# Altium PCB Aixcel_Tiny_Recon_Board.PcbDoc (part 2 of 2)
Units mm, origin at the board's own origin, x right, y up, seen from the top; angles counter-clockwise.
Board outline 50.95 x 29.99 mm, 4 copper layers (Top Layer, GND Layer, PWR Layer, Bottom Layer), stack 1.283 mm thick; 76 components, 72 nets, 351 pads, 241 vias.
Unrouted connection lines stored in the file: 6.
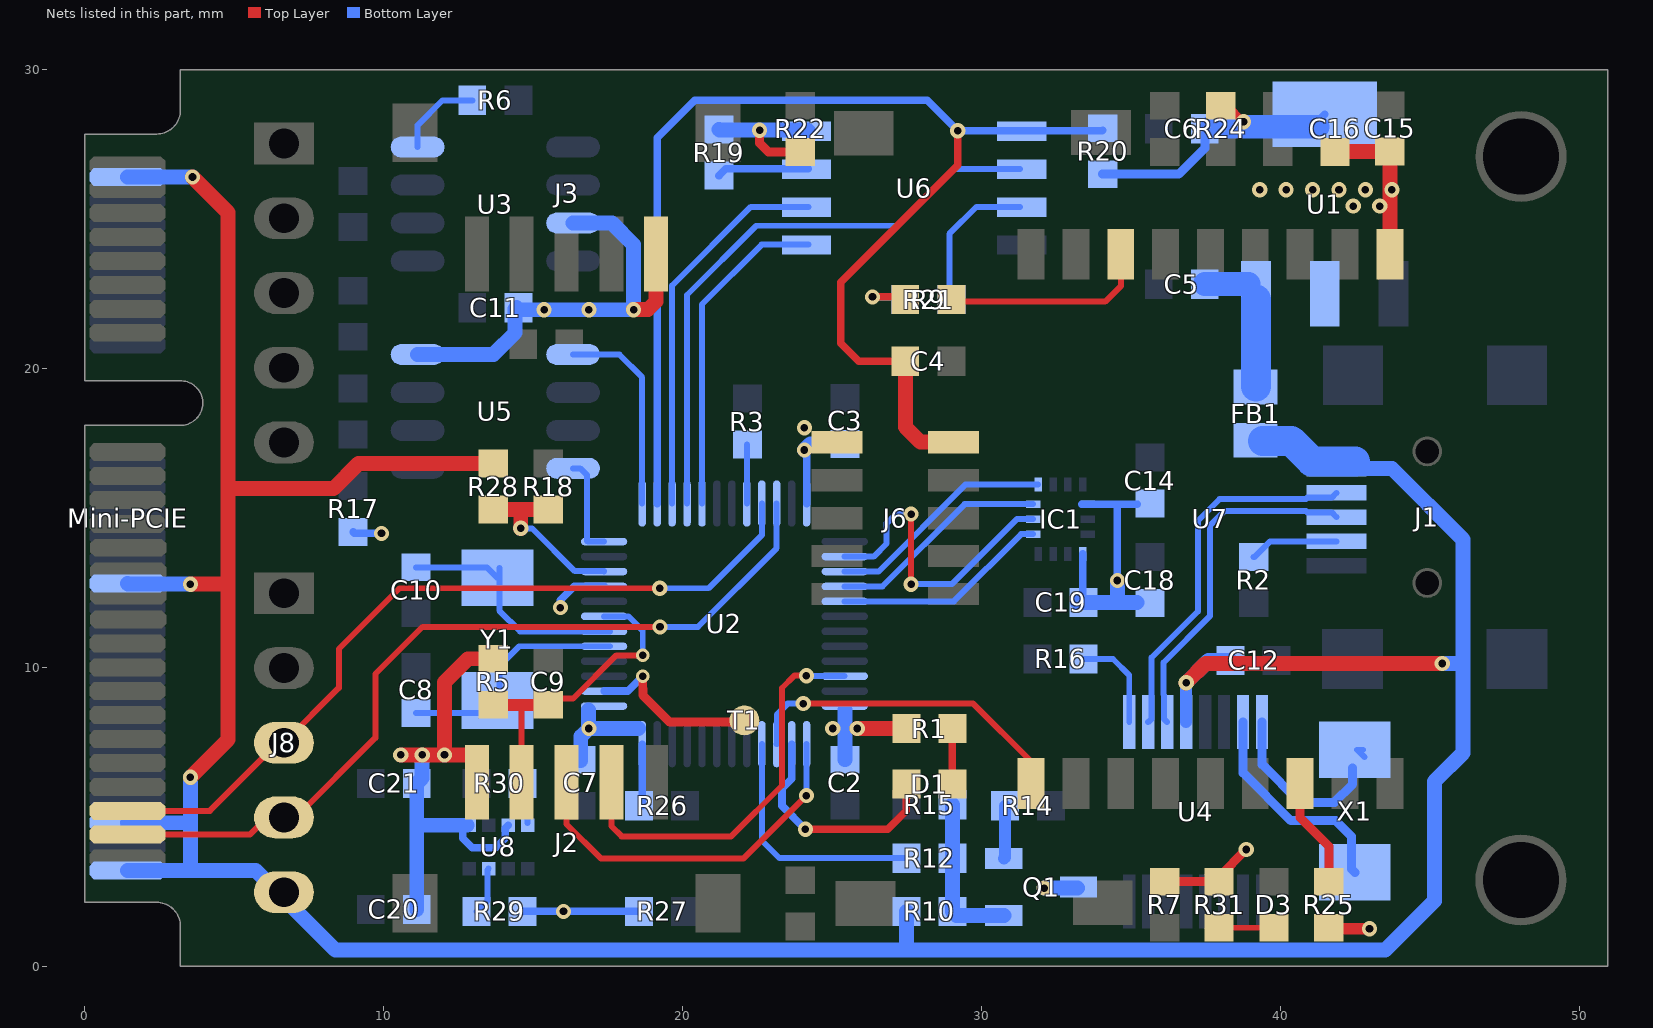
[diagram p4: the nets of this part, all layers, seen from the top]

## Via types
v1: diameter 0.508, hole 0.254, Top Layer to Bottom Layer, tented both sides, 238 vias
v2: diameter 0.45, hole 0.25, Top Layer to Bottom Layer, tented both sides, 2 vias
v3: diameter 0.508, hole 0.25, Top Layer to Bottom Layer, tented both sides, 1 vias

## Nets (pads, with @x,y where several pads share a name; then routed paths per layer and width w, separated by ;. In a path a pad name is that pad's centre, name@x,y a point inside that pad or via, vN(x,y) a via of type N, cw(c..) or ccw(c..) an arc to the next point about the centre after c; other vN are vias at no path point) (continued)
MCU_PB3: U2.39 U7.10 | length 11.2
  Top Layer w0.2: v1(24.038,8.79) 29.717,8.79 31.656,6.852 U7.10@31.656,6.12
  Bottom Layer w0.2: U2.39@23.148,7.433 23.15,7.435 23.15,8.427 23.514,8.79 v1(24.038,8.79)
NetC8_2: C8.2 U2.5 Y1.1 | length 7.6
  Bottom Layer w0.2: C8.2@11.084,8.478 13.316,8.478 Y1.1@13.736,8.898 ; Y1.1@13.872,9.228 13.872,10.045 14.535,10.708 U2.5@17.577,10.708
NetC10_2: C10.2 U2.6 Y1.2 | length 8.2
  Bottom Layer w0.2: C10.2@11.084,13.35 Y1.2@13.384,13.35 ; Y1.2@13.452,13.35 Y1.2@13.804,12.998 ; Y1.2@13.872,13.328 13.872,11.9 14.564,11.208 U2.6@17.577,11.208
NetD1_A: D1.A R1.2 | length 1.9
  Top Layer w0.254: D1.A@29.024,6.1 R1.2@29.024,7.956
NetD3_A: D3.A R31.2 | length 1.8
  Top Layer w0.2: R31.2@37.944,1.292 D3.A@39.78,1.292
NetJ1_4: J1.4 R2.2 | length 3
  Bottom Layer w0.2: R2.2@39.1,13.69 39.125,13.69 39.65,14.215 J1.4@41.87,14.215
NetQ1_1: Q1.1 R10.1 R12.2 R15.2 | length 5.3
  Bottom Layer w0.5: R15.2@29.024,5.406 R10.1@29.024,1.836 29.158,1.702 Q1.1@30.744,1.702
NetQ1_2: Q1.2 R14.2 | length 1.8
  Bottom Layer w0.4: Q1.2@30.744,3.602 30.782,3.64 R14.2@30.782,5.372
NetR3_2: R3.2 U2.20 | length 2
  Bottom Layer w0.2: U2.20@22.148,15.483 R3.2@22.148,17.454
NetR6_2: R6.2 U3.8 | length 2.9
  Bottom Layer w0.2: U3.8@11.136,27.405 11.136,28.136 11.968,28.968 R6.2@12.966,28.968
NetR9_2: R9.2 U7.7 | length 7.4
  Top Layer w0.2: R9.2@28.675,21.915 28.996,22.236 34.136,22.236 34.656,22.756 U7.7@34.656,23.82
NetR16_1: R16.1 U4.9 | length 3.3
  Bottom Layer w0.2: R16.1@33.41,10.282 34.396,10.282 34.939,9.739 U4.9@34.939,8.168
NetR18_2: R18.2 R28.1 U2.10 | length 6
  Top Layer w0.2: R28.1@13.668,15.278 R28.1@13.693,15.278 ; v1@14.527,14.713 v1(14.586,14.654)
  Top Layer w0.5: R28.1@13.668,15.278 14.586,15.278 ; v1(14.586,14.654) 14.586,15.278 ; R18.2@15.504,15.278 14.586,15.278
  Bottom Layer w0.2: v1(14.586,14.654) 14.96,14.654 16.397,13.217 17.363,13.217 U2.10@17.373,13.208
NetR19_2: R19.2 U6.7 | length 3.1
  Bottom Layer w0.254: R19.2@21.216,26.452 21.443,26.679 U6.7@24.203,26.679
NetR21_1: R21.1 U6.3 | length 4.9
  Bottom Layer w0.2: R21.1@28.922,22.304 28.922,24.502 29.829,25.409 U6.3@31.288,25.409
NetR25_1: R25.1 U7.16 | length 3.7
  Top Layer w0.3: U7.16@40.656,6.12 40.656,4.977 41.616,4.017 R25.1@41.616,2.832
NetR29_1: R29.1 U8.2 | length 1.6
  Bottom Layer w0.2: R29.1@13.102,1.836 13.467,2.201 13.467,3.225 U8.2@13.513,3.271
NetR30_2: R30.2 U8.5 | length 1.4
  Bottom Layer w0.2: R30.2@14.574,6.12 14.813,5.881 U8.5@14.813,4.789
NetT1_1: T1.1 U2.2 | length 5.8
  Top Layer w0.3: v2(18.666,9.711) 18.666,9.288 18.672,9.282 18.672,9.069 19.559,8.181 T1.1@21.951,8.181
  Bottom Layer w0.254: U2.2@17.373,9.208 17.375,9.21 18.165,9.21 v2(18.666,9.711)
NetU4_15: U4.15 X1.2 | length 7.4
  Bottom Layer w0.3: U4.15@38.75,8.168 38.75,6.47 40.344,4.876 41.84,4.876 42.37,4.346 42.37,3.263 X1.2@42.487,3.146
NetU4_16: U4.16 X1.1 | length 6.3
  Bottom Layer w0.2: X1.1@42.759,7.246 42.566,7.246 X1.1@42.806,7.006
  Bottom Layer w0.3: U4.16@39.385,8.168 39.385,6.753 40.65,5.488 41.8,5.488 42.408,6.096 X1.1@42.408,6.63
NRST: C9.1 J2.2 R5.1 U2.7 | length 10.4
  Top Layer w0.2: J2.2@14.616,6.158 14.616,8.75 ; C9.1@15.504,8.954 16.332,8.954 17.782,10.404 v2(18.666,10.404)
  Top Layer w0.4: R5.1@13.736,8.75 14.616,8.75 C9.1@15.504,8.75
  Bottom Layer w0.2: U2.7@17.373,11.708 18.19,11.708 18.666,11.232 v2(18.666,10.404)
SPI1_CS_DAC0: C4.1 J6.2 R20.2 U2.14 U6.1 | length 43.3
  Top Layer w0.254: C4.1@27.45,20.241 25.897,20.241 25.296,20.842 25.296,22.882 29.206,26.792 v1(29.206,27.949)
  Top Layer w0.5: C4.1@27.45,20.241 27.45,18.042 27.956,17.536 J6.2@29.06,17.536 J6.2@28.99,17.606
  Bottom Layer w0.254: U2.14@19.148,15.483 19.148,27.716 20.4,28.968 28.187,28.968 v1(29.206,27.949) 34.032,27.949 R20.2@34.053,27.97
SPI1_MISO: U2.16 U6.2 | length 19.9
  Bottom Layer w0.2: U2.16@20.148,15.483 20.148,22.46 22.462,24.774 27.203,24.774 29.108,26.679 U6.2@31.288,26.679
SPI1_MOSI: U2.17 U6.5 | length 11
  Bottom Layer w0.2: U2.17@20.648,15.483 20.648,22.144 22.643,24.139 U6.5@24.203,24.139
SPI1_SCK: U2.15 U6.6 | length 12.9
  Bottom Layer w0.2: U2.15@19.648,15.483 19.648,22.776 22.281,25.409 U6.6@24.203,25.409
SPI2_CS: IC1.12 U2.29 | length 7.2
  Bottom Layer w0.2: U2.29@25.423,12.208 29.072,12.208 31.324,14.46 IC1.12@31.728,14.46
SPI2_MISO: IC1.1 U2.27 | length 7.7
  Bottom Layer w0.2: U2.27@25.423,13.208 26.554,13.208 29.469,16.123 IC1.1@31.89,16.123
SPI2_MOSI: IC1.14 U2.28 | length 7.4
  Bottom Layer w0.2: U2.28@25.423,12.708 26.682,12.708 29.434,15.46 IC1.14@31.728,15.46
SPI2_SCK: IC1.13 U2.26 | length 10.5
  Top Layer w0.2: v1(27.642,12.784) v1(27.642,15.13)
  Bottom Layer w0.2: U2.26@25.423,13.708 26.39,13.708 26.826,14.144 26.826,14.824 27.132,15.13 v1(27.642,15.13) ; v1@27.676,12.784 29.002,12.784 31.178,14.96 IC1.13@31.728,14.96
SWCLK: J2.3 U2.37 | length 12.5
  Top Layer w0.2: J2.3@16.116,6.158 16.116,4.76 17.272,3.604 22.032,3.604 v1(24.14,5.712)
  Bottom Layer w0.2: v1(24.14,5.712) 24.144,5.716 24.144,7.429 U2.37@24.148,7.433
SWDIO: J2.4 U2.34 | length 13.5
  Top Layer w0.2: J2.4@17.616,6.158 17.616,4.696 17.96,4.352 21.624,4.352 23.324,6.052 23.324,9.312 23.736,9.724 v3(24.14,9.724)
  Bottom Layer w0.2: v3@24.14,9.716 25.415,9.716 U2.34@25.423,9.708
SYS_LED: D1.K U2.38 | length 7.8
  Top Layer w0.254: v1(24.106,4.59) 26.866,4.59 27.484,5.208 D1.K@27.484,6.1
  Bottom Layer w0.254: U2.38@23.648,7.433 23.646,7.431 23.646,6.277 23.324,5.955 23.324,5.372 v1(24.106,4.59)
UART2_RX: U2.13 U5.1 | length 6.8
  Bottom Layer w0.2: U5.1@16.336,20.469 17.883,20.469 18.648,19.704 U2.13@18.648,15.483
UART2_TX: U2.12 U5.4 | length 3.3
  Bottom Layer w0.2: U5.4@16.336,16.659 16.573,16.659 16.804,16.428 16.804,14.231 16.827,14.208 U2.12@17.373,14.208
UART3_RX: J8.4 Mini-PCIE.49 U2.22 | length 28.6
  Top Layer w0.2: Mini-PCIE.49@1.428,4.404 5.526,4.404 6.102,4.98 J8.4@6.664,4.98 7.058,4.98 9.724,7.646 9.724,9.779 11.301,11.356 v1(19.244,11.356) v1@19.38,11.356
  Bottom Layer w0.2: v1(19.244,11.356) 20.514,11.356 23.148,13.99 U2.22@23.148,15.483
UART3_TX: J8.3 Mini-PCIE.47 U2.21 | length 27
  Top Layer w0.2: Mini-PCIE.47@1.428,5.204 4.184,5.204 6.46,7.48 J8.3@6.664,7.48 8.5,9.316 8.5,10.618 10.53,12.648 v1(19.233,12.648) v1@19.301,12.648 ; v1@19.301,12.58 v1@19.369,12.58
  Bottom Layer w0.2: v1(19.233,12.648) 20.869,12.648 22.648,14.427 U2.21@22.648,15.483
USB_N: J1.2 U4.10 | length 12.4
  Bottom Layer w0.2: U4.10@35.574,8.168 35.678,8.271 35.678,9.073 35.692,9.087 35.692,10.332 37.238,11.878 37.238,14.906 37.966,15.634 40.853,15.634 40.9,15.681 41.71,15.681 J1.2@41.87,15.841
USB_P: J1.3 U4.11 | length 11.8
  Bottom Layer w0.2: U4.11@36.209,8.168 36.106,8.271 36.106,9.073 36.092,9.087 36.092,10.166 37.638,11.712 37.638,14.741 38.132,15.234 40.853,15.234 40.9,15.188 41.71,15.188 J1.3@41.87,15.028
USB_RENUM: R12.1 U2.40 | length 8.3
  Bottom Layer w0.2: U2.40@22.648,7.433 22.648,4.212 23.239,3.621 R12.1@27.484,3.621
VBUS_5V: C12.1 FB1.2 J1.1 J8.5 Mini-PCIE.2 Mini-PCIE.28 Mini-PCIE.48 Mini-PCIE.52 R10.2 R28.2 U4.12 | length 121.1
  Top Layer w0.5: v1(3.536,6.324) 4.794,7.582 4.794,12.784 ; v1(3.536,12.784) 4.794,12.784 ; v1(3.604,26.404) 4.794,25.214 4.794,15.98 ; R28.2@13.668,16.818 9.158,16.818 8.32,15.98 4.794,15.98 ; v1(36.845,9.486) 37.491,10.132 v1(45.407,10.132) ; 4.794,12.784 4.794,15.98
  Bottom Layer w0.4: U4.12@36.844,8.168 v1(36.845,9.486)
  Bottom Layer w0.5: Mini-PCIE.52@1.428,3.204 3.536,3.204 ; Mini-PCIE.48@1.428,4.804 3.308,4.804 ; Mini-PCIE.28@1.428,12.804 1.447,12.786 3.398,12.786 v1@3.4,12.784 ; Mini-PCIE.2@1.428,26.404 v1@3.468,26.404 ; v1(3.536,6.324) 3.536,3.204 ; J8.5@6.664,2.48 J8.5@6.445,2.48 ; R10.2@27.484,1.836 27.484,0.544 ; v1(36.845,9.486) 37.593,10.234 C12.1@38.33,10.234 ; J1.1@42.092,16.66 43.724,16.66 46.104,14.28 46.104,10.132 ; v1(45.407,10.132) 46.104,10.132 ; 3.536,3.204 5.721,3.204 J8.5@6.445,2.48 ; J8.5@6.445,2.48 8.381,0.544 27.484,0.544 ; 27.484,0.544 43.503,0.544 45.152,2.193 45.152,6.188 46.104,7.14 46.104,10.132
  Bottom Layer w1: FB1.2@39.406,17.578 40.358,17.578 41.042,16.894 J1.1@42.5,16.894
VCC_3V3: C2.1 C3.1 C6.2 C7.1 C11.1 C14.1 C15.1 C16.1 C18.1 C19.1 C20.2 C21.2 IC1.5 IC1.8 J2.1 J3.1 J6.1 Q1.3 R1.1 R5.2 R7.2 R9.1 R17.1 R19.1 R20.1 R21.2 R22.2 R24.2 R25.2 R26.2 R27.1 R29.2 R31.1 U1.2 U2.1 U2.9 U2.24 U2.36 U2.48 U3.3 U5.8 U6.8 U7.1 U8.6 U8.8 | length 87.8
  Top Layer w0.254: v1(26.35,22.395) 27.291,22.395 R9.1@27.382,22.304 ; R24.2@38.004,28.786 38.228,28.786 v1(38.76,28.254) ; R25.2@41.616,1.292 R25.2@41.65,1.258
  Top Layer w0.3: v1(22.576,27.97) 22.576,27.54 22.87,27.246 R22.2@23.936,27.246 ; R7.2@36.13,2.832 R31.1@37.944,2.832 37.944,3.001 v1(38.853,3.91)
  Top Layer w0.4: R25.2@41.65,1.258 v1(42.976,1.258)
  Top Layer w0.5: v1(10.574,7.072) v1(11.288,7.072) v1(12.036,7.072) ; J2.1@12.843,7.072 v1(12.036,7.072) ; J2.1@13.116,6.158 J2.1@13.116,7.003 ; R5.2@13.668,10.29 12.822,10.29 12.036,9.504 v1(12.036,7.072) ; v1@18.36,21.966 v1@18.43,21.966 ; v1@18.428,21.964 v1@18.43,21.966 ; J3.1@19.116,23.83 19.116,22.244 18.838,21.966 v1@18.43,21.966 ; v1(25.84,7.956) R1.1@27.586,7.956 ; C16.1@41.616,27.246 41.624,27.254 43.376,27.254 43.384,27.262 43.656,26.99 U7.1@43.656,23.956 ; U7.1@43.52,23.956 U7.1@43.656,23.82
  Bottom Layer w0.2: C11.1@14.438,22.032 C11.1@14.506,21.964 ; C19.1@33.186,12.192 C19.1@33.206,12.172 ; Q1.3@33.21,2.618 Q1.3@33.244,2.652 ; C18.1@35.202,12.172 C18.1@35.224,12.15 ; C14.1@35.202,15.46 C14.1@35.224,15.482
  Bottom Layer w0.254: R17.1@8.976,14.53 9.021,14.485 v1@9.928,14.485 ; U8.8@12.648,4.506 12.648,4.284 12.964,3.968 13.745,3.968 14.065,4.288 14.065,4.623 U8.6@14.163,4.721 ; R29.2@14.642,1.836 14.644,1.838 v1(16.014,1.838) 18.54,1.838 R27.1@18.542,1.836 ; v1(15.912,12.002) 15.912,12.24 16.38,12.708 U2.9@17.373,12.708 ; R26.2@18.648,5.372 U2.48@18.648,7.433 ; v1(24.072,17.272) 24.14,17.204 24.072,17.204 24.072,17.135 24.148,17.06 U2.24@24.148,15.483 ; v1(26.35,22.395) 27.291,22.395 R21.2@27.382,22.304 ; IC1.5@33.349,15.46 IC1.5@33.553,15.46 34.544,15.46 ; C19.1@33.39,12.192 IC1.8@33.39,13.798 ; v1(34.544,12.907) 34.544,15.46 ; C14.1@35.202,15.46 34.544,15.46 ; C6.2@37.468,28.016 C6.2@37.707,28.255 ; U1.2@41.235,28.255 U1.2@41.48,28.5
  Bottom Layer w0.3: R20.1@34.053,26.498 36.596,26.498 37.468,27.37 C6.2@37.468,28.016
  Bottom Layer w0.5: C20.2@11.106,1.904 C21.2@11.106,6.12 11.286,6.3 11.286,7.07 v1(11.288,7.072) ; U5.8@11.136,20.469 13.669,20.469 14.398,21.198 14.398,21.992 C11.1@14.438,22.032 ; 11.247,4.721 U8.8@12.795,4.721 ; C11.1@14.506,21.964 v1(15.368,21.964) v1(16.864,21.964) v1(18.36,21.964) ; U3.3@16.336,24.865 17.635,24.865 18.36,24.14 v1(18.36,21.964) ; C7.1@16.592,6.89 C7.1@16.592,6.912 16.592,7.684 v1@16.824,7.916 ; 16.858,8.575 16.858,7.95 v1(16.864,7.956) U2.48@18.531,7.956 ; v1@18.428,21.964 v1(18.36,21.964) ; R19.1@21.216,27.992 21.238,27.97 24.182,27.97 U6.8@24.203,27.949 ; v1(24.072,17.272) 24.276,17.476 C3.1@25.432,17.476 ; 25.427,8.583 25.427,6.917 C2.1@25.432,6.912 ; v1(32.096,2.618) Q1.3@33.21,2.618 ; C19.1@33.206,12.172 C19.1@33.41,12.172 34.544,12.172 ; v1(34.544,12.907) 34.544,12.172 ; C18.1@35.202,12.172 34.544,12.172
  Bottom Layer w0.8: C6.2@37.707,28.085 U1.2@41.235,28.085
  other v1: 25.024,7.956 9.928,14.484 24.072,18.02 42.432,25.432 43.316,25.432 39.304,25.976 40.188,25.976 41.072,25.976 41.956,25.976 42.84,25.976 43.724,25.976
VCC_5V: C5.2 FB1.1 U1.3 | length 5
  Bottom Layer w0.5: U1.3@38.93,22.822 39.18,22.572 U1.3@39.18,22.302
  Bottom Layer w0.8: C5.2@37.468,22.822 U1.3@38.93,22.822
  Bottom Layer w1: FB1.1@39.18,19.394 U1.3@39.18,22.302
pads on no net: IC1.9 IC1.10 IC1.11 J1.0@44.908,12.828 J1.0@44.908,17.228 Mini-PCIE.1 Mini-PCIE.5 Mini-PCIE.7 Mini-PCIE.11 Mini-PCIE.13 Mini-PCIE.14 Mini-PCIE.16 Mini-PCIE.17 Mini-PCIE.19 Mini-PCIE.20 Mini-PCIE.22 Mini-PCIE.23 Mini-PCIE.24 Mini-PCIE.25 Mini-PCIE.27 Mini-PCIE.30 Mini-PCIE.31 Mini-PCIE.33 Mini-PCIE.35 Mini-PCIE.36 Mini-PCIE.38 Mini-PCIE.39 Mini-PCIE.41 Mini-PCIE.42 Mini-PCIE.44 Mini-PCIE.45 Mini-PCIE.46 Mini-PCIE.50 Mini-PCIE.51 U2.3 U2.4 U3.5 U4.1 U4.2 U4.5 U4.6 U4.13

## Polygon pours and split planes (outlines as drawn)
GND on Top Layer "Top Layer-GND" (solid, remove dead copper, pour order 22): 2.55,29.972 50.969,29.972 50.969,-0.028 2.55,-0.028
no net on Top Layer "Top Layer-No Net 1" (solid, remove dead copper, pour order 8): 2.584,0.004
no net on Top Layer "Top Layer-No Net" (solid, remove dead copper, pour order 2): 0.01,-0.019
GND on Bottom Layer "Bottom Layer-GND" (solid, remove dead copper, pour order 24): 2.551,-0.018 2.551,29.982 50.758,29.982 50.758,-0.018
no net on Bottom Layer "Bottom Layer-No Net 1" (solid, remove dead copper, pour order 12): 2.483,-0.018
no net on Bottom Layer "Bottom Layer-No Net" (solid, remove dead copper, pour order 6): 2.483,-0.018
GND on GND Layer (split plane): 50.442,0.51 3.711,0.51 3.711,1.343 3.71,1.352 3.702,1.489 3.678,1.634 3.637,1.775 3.581,1.911 3.51,2.04 3.425,2.159 3.327,2.269 3.217,2.367 3.098,2.452 2.969,2.523 2.833,2.579 2.692,2.62 2.547,2.644 2.41,2.652 2.401,2.653 0.51,2.653 0.51,17.588 3.201,17.588 3.206,17.589 3.345,17.596 3.484,17.62 3.619,17.659 3.749,17.713 3.872,17.781 3.987,17.862 4.092,17.956 4.185,18.061 4.267,18.175 4.335,18.298 4.389,18.428 4.427,18.564 4.451,18.702 4.459,18.843 4.451,18.983 4.427,19.122 4.389,19.257 4.335,19.387 4.267,19.51 4.185,19.624 4.092,19.729 3.987,19.823 3.872,19.904 3.749,19.972 3.619,20.026 3.484,20.065 3.345,20.089 3.287,20.092 3.277,20.093 3.248,20.096 0.516,20.096 0.516,27.332 2.401,27.332 2.41,27.333 2.547,27.341 2.692,27.365 2.833,27.406 2.969,27.462 3.098,27.533 3.217,27.618 3.327,27.716 3.425,27.826 3.51,27.946 3.581,28.074 3.637,28.21 3.678,28.351 3.702,28.496 3.71,28.633 3.711,28.643 3.711,29.482 50.442,29.482
VCC_3V3 on PWR Layer (split plane): 50.442,0.51 3.711,0.51 3.711,1.343 3.71,1.352 3.702,1.489 3.678,1.634 3.637,1.775 3.581,1.911 3.51,2.04 3.425,2.159 3.327,2.269 3.217,2.367 3.098,2.452 2.969,2.523 2.833,2.579 2.692,2.62 2.547,2.644 2.41,2.652 2.401,2.653 0.51,2.653 0.51,17.588 3.201,17.588 3.206,17.589 3.345,17.596 3.484,17.62 3.619,17.659 3.749,17.713 3.872,17.781 3.987,17.862 4.092,17.956 4.185,18.061 4.267,18.175 4.335,18.298 4.389,18.428 4.427,18.564 4.451,18.702 4.459,18.843 4.451,18.983 4.427,19.122 4.389,19.257 4.335,19.387 4.267,19.51 4.185,19.624 4.092,19.729 3.987,19.823 3.872,19.904 3.749,19.972 3.619,20.026 3.484,20.065 3.345,20.089 3.287,20.092 3.277,20.093 3.248,20.096 0.516,20.096 0.516,27.332 2.401,27.332 2.41,27.333 2.547,27.341 2.692,27.365 2.833,27.406 2.969,27.462 3.098,27.533 3.217,27.618 3.327,27.716 3.425,27.826 3.51,27.946 3.581,28.074 3.637,28.21 3.678,28.351 3.702,28.496 3.71,28.633 3.711,28.643 3.711,29.482 50.442,29.482

## Other copper
Top Layer:
  region net GND: 23.766,14.144 23.834,14.212 24.31,14.212 24.378,14.144 24.378,12.784 24.31,12.716 23.834,12.716 23.766,12.784
  region net VCC_3V3: 23.766,18.326 23.834,18.394 24.31,18.394 24.378,18.326 24.378,16.966 24.31,16.898 23.834,16.898 23.766,16.966
  region net VCC_3V3: 41.276,26.52 41.276,27.744 44.132,27.744 44.132,27.676 44.132,26.52
  region net VCC_3V3: 38.896,26.52 44.132,26.52 44.132,24.616 43.18,24.616 42.772,25.024 41.956,25.024 41.548,25.432 38.896,25.432
  region net VCC_3V3: 24.752,8.228 26.112,8.228 26.112,7.677 24.752,7.677
Bottom Layer:
  region net VCC_3V3: 24.752,8.228 24.752,7.684 26.112,7.684 26.112,8.228
  region net VCC_3V3: 38.896,28.5 38.896,25.428 40.732,23.592 40.732,21.42 42.228,21.42 42.228,23.596 43.362,24.73 44.132,24.73 44.132,28.5
GND Layer (plane layer: these items are gaps in the copper):
  lines w0.2: 30.131,14.605 30.473,14.605

## Silkscreen, mask and mechanical layers (free items; w line width, h text height)
Bottom Overlay:
  lines w0.2: 15.464,1.836 15.407,1.836 ; 15.504,1.836 15.407,1.836 ; 17.854,3.37 16.32,1.836 15.407,1.836
  text "e" at 33.286,16.49 h6
Mechanical 1:
  circle w0.127: c48.043,2.893 r1.296
  circle w0.127: c48.051,27.093 r1.296
  lines w0.127: 0,2.143 0,18.098 3.201,18.098 ccw(c3.205,18.843) 3.248,19.585 0.005,19.585 0.005,27.843 2.401,27.843 ccw(c2.401,28.643) 3.201,28.643 3.201,29.992 50.953,29.992 50.953,0 3.201,0 3.201,1.343 ccw(c2.401,1.343) 2.401,2.143 0,2.143
Drill Drawing:
  circle w0.254: c-23.75,55.591 r0.5
  circle w0.254: c-23.75,55.591 r0.5
  lines w0.254: -24.25,46.341 -24,46.341 ; -24.25,46.341 -24,46.591 ; -24.25,46.341 -24,46.341 ; -24.25,46.341 -24,46.591 ; -24.25,46.841 -24,46.591 ; -24.25,46.841 -24,46.841 ; -24.25,46.841 -24,46.591 ; -24.25,46.841 -24,46.841 ; -24.25,48.341 -23.25,48.341 ; -24.25,48.341 -24.25,49.341 ; -24.25,48.341 -23.25,48.341 ; -24.25,48.341 -24.25,49.341 ; -24.25,49.341 -23.25,49.341 ; -24.25,49.341 -23.25,49.341 ; -24.25,50.591 -23.75,50.841 ; -24.25,50.591 -24,51.091 ; -24.25,50.591 -23.75,50.841 ; -24.25,50.591 -24,51.091 ; -24.25,51.591 -23.75,51.341 ; -24.25,51.591 -24,51.091 ; -24.25,51.591 -23.75,51.341 ; -24.25,51.591 -24,51.091 ; -24.25,53.841 -23.25,53.841 ; -24.25,53.841 -23.75,52.841 ; -24.25,53.841 -23.25,53.841 ; -24.25,53.841 -23.75,52.841 ; -24,46.341 -23.75,46.091 ; -24,46.341 -23.75,46.091 ; -24,46.841 -23.75,47.091 ; -24,46.841 -23.75,47.091 ; -23.75,46.091 -23.5,46.341 ; -23.75,46.091 -23.5,46.341 ; -23.75,47.091 -23.5,46.841 ; -23.75,47.091 -23.5,46.841 ; -23.75,50.841 -23.25,50.591 ; -23.75,50.841 -23.25,50.591 ; -23.75,51.341 -23.25,51.591 ; -23.75,51.341 -23.25,51.591 ; -23.75,52.841 -23.25,53.841 ; -23.75,52.841 -23.25,53.841 ; -23.5,46.341 -23.25,46.341 ; -23.5,46.341 -23.25,46.341 ; -23.5,46.591 -23.25,46.841 ; -23.5,46.591 -23.25,46.341 ; -23.5,46.591 -23.25,46.841 ; -23.5,46.591 -23.25,46.341 ; -23.5,46.841 -23.25,46.841 ; -23.5,46.841 -23.25,46.841 ; -23.5,51.091 -23.25,50.591 ; -23.5,51.091 -23.25,51.591 ; -23.5,51.091 -23.25,50.591 ; -23.5,51.091 -23.25,51.591 ; -23.25,48.341 -23.25,49.341 ; -23.25,48.341 -23.25,49.341
  lines w0.381: -25.18,43.166 172.546,43.166 ; -25.18,43.166 -25.18,58.916 ; -25.18,43.166 172.546,43.166 ; -25.18,43.166 -25.18,58.916 ; -25.18,58.916 172.546,58.916 ; -25.18,58.916 172.546,58.916 ; 172.546,43.166 172.546,58.916 ; 172.546,43.166 172.546,58.916 ; -25.18,45.416 172.546,45.416 -25.18,45.416 ; -25.18,56.666 172.546,56.666 -25.18,56.666 ; -16.584,43.166 -16.584,58.916 -16.584,43.166 ; -7.378,43.166 -7.378,58.916 -7.378,43.166 ; 10.075,43.166 10.075,58.916 10.075,43.166 ; 17.996,43.166 17.996,58.916 17.996,43.166 ; 29.336,43.166 29.336,58.916 29.336,43.166 ; 52.037,43.166 52.037,58.916 52.037,43.166 ; 61.218,43.166 61.218,58.916 61.218,43.166 ; 72.737,43.166 72.737,58.916 72.737,43.166 ; 84.042,43.166 84.042,58.916 84.042,43.166 ; 97.181,43.166 97.181,58.916 97.181,43.166 ; 117.518,43.166 117.518,58.916 117.518,43.166 ; 137.855,43.166 137.855,58.916 137.855,43.166 ; 151.175,43.166 151.175,58.916 151.175,43.166
  text "Symbol" at -23.83,57.341 h1.08
  text "Symbol" at -23.83,57.341 h1.08
  text "Count" at -15.909,57.341 h1.08
  text "Count" at -15.909,57.341 h1.08
  text "Hole Size" at -6.703,57.341 h1.08
  text "Hole Size" at -6.703,57.341 h1.08
  text "Plated" at 10.75,57.341 h1.08
  text "Plated" at 10.75,57.341 h1.08
  text "Hole Type" at 18.671,57.341 h1.08
  text "Hole Type" at 18.671,57.341 h1.08
  text "Drill Layer Pair" at 30.011,57.341 h1.08
  text "Drill Layer Pair" at 30.011,57.341 h1.08
  text "Via/Pad" at 52.712,57.341 h1.08
  text "Via/Pad" at 52.712,57.341 h1.08
  text "Pad Shape" at 61.893,57.341 h1.08
  text "Pad Shape" at 61.893,57.341 h1.08
  text "Template" at 73.412,57.341 h1.08
  text "Template" at 73.412,57.341 h1.08
  text "Description" at 84.717,57.341 h1.08
  text "Description" at 84.717,57.341 h1.08
  text "Hole Tolerance (+)" at 97.856,57.341 h1.08
  text "Hole Tolerance (+)" at 97.856,57.341 h1.08
  text "Hole Tolerance (-)" at 118.193,57.341 h1.08
  text "Hole Tolerance (-)" at 118.193,57.341 h1.08
  text "Hole Length" at 138.53,57.341 h1.08
  text "Hole Length" at 138.53,57.341 h1.08
  text "Routed Path Length" at 151.85,57.341 h1.08
  text "Routed Path Length" at 151.85,57.341 h1.08
  text "2" at -15.909,55.091 h0.9
  text "2" at -15.909,55.091 h0.9
  text "0.800mm (31.50mil)" at -6.703,55.091 h0.9
  text "0.800mm (31.50mil)" at -6.703,55.091 h0.9
  text "PTH" at 10.75,55.091 h0.9
  text "PTH" at 10.75,55.091 h0.9
  text "Round" at 18.671,55.091 h0.9
  text "Round" at 18.671,55.091 h0.9
  text "Top Layer - Bottom Layer" at 30.011,55.091 h0.9
  text "Top Layer - Bottom Layer" at 30.011,55.091 h0.9
  text "Pad" at 52.712,55.091 h0.9
  text "Pad" at 52.712,55.091 h0.9
  text "Rounded" at 61.893,55.091 h0.9
  text "Rounded" at 61.893,55.091 h0.9
  text "c100h80" at 73.412,55.091 h0.9
  text "c100h80" at 73.412,55.091 h0.9
  text "-" at 138.53,55.091 h0.9
  text "-" at 138.53,55.091 h0.9
  text "-" at 151.85,55.091 h0.9
  text "-" at 151.85,55.091 h0.9
  text "2" at -15.909,52.841 h0.9
  text "2" at -15.909,52.841 h0.9
  text "2.540mm (100.00mil)" at -6.703,52.841 h0.9
  text "2.540mm (100.00mil)" at -6.703,52.841 h0.9
  text "PTH" at 10.75,52.841 h0.9
  text "PTH" at 10.75,52.841 h0.9
  text "Round" at 18.671,52.841 h0.9
  text "Round" at 18.671,52.841 h0.9
  text "Top Layer - Bottom Layer" at 30.011,52.841 h0.9
  text "Top Layer - Bottom Layer" at 30.011,52.841 h0.9
  text "Pad" at 52.712,52.841 h0.9
  text "Pad" at 52.712,52.841 h0.9
  text "Rounded" at 61.893,52.841 h0.9
  text "Rounded" at 61.893,52.841 h0.9
  text "c305h254" at 73.412,52.841 h0.9
  text "c305h254" at 73.412,52.841 h0.9
  text "-" at 138.53,52.841 h0.9
  text "-" at 138.53,52.841 h0.9
  text "-" at 151.85,52.841 h0.9
  text "-" at 151.85,52.841 h0.9
  text "3" at -15.909,50.591 h0.9
  text "3" at -15.909,50.591 h0.9
  text "0.250mm (9.84mil)" at -6.703,50.591 h0.9
  text "0.250mm (9.84mil)" at -6.703,50.591 h0.9
  text "PTH" at 10.75,50.591 h0.9
  text "PTH" at 10.75,50.591 h0.9
  text "Round" at 18.671,50.591 h0.9
  text "Round" at 18.671,50.591 h0.9
  text "Top Layer - Bottom Layer" at 30.011,50.591 h0.9
  text "Top Layer - Bottom Layer" at 30.011,50.591 h0.9
  text "Via" at 52.712,50.591 h0.9
  text "Via" at 52.712,50.591 h0.9
  text "Rounded" at 61.893,50.591 h0.9
  text "Rounded" at 61.893,50.591 h0.9
  text "(Mixed)" at 73.412,50.591 h0.9
  text "(Mixed)" at 73.412,50.591 h0.9
  text "-" at 138.53,50.591 h0.9
  text "-" at 138.53,50.591 h0.9
  text "-" at 151.85,50.591 h0.9
  text "-" at 151.85,50.591 h0.9
  text "10" at -15.909,48.341 h0.9
  text "10" at -15.909,48.341 h0.9
  text "1.000mm (39.37mil)" at -6.703,48.341 h0.9
  text "1.000mm (39.37mil)" at -6.703,48.341 h0.9
  text "PTH" at 10.75,48.341 h0.9
  text "PTH" at 10.75,48.341 h0.9
  text "Round" at 18.671,48.341 h0.9
  text "Round" at 18.671,48.341 h0.9
  text "Top Layer - Bottom Layer" at 30.011,48.341 h0.9
  text "Top Layer - Bottom Layer" at 30.011,48.341 h0.9
  text "Pad" at 52.712,48.341 h0.9
  text "Pad" at 52.712,48.341 h0.9
  text "(Mixed)" at 61.893,48.341 h0.9
  text "(Mixed)" at 61.893,48.341 h0.9
  text "(Mixed)" at 73.412,48.341 h0.9
  text "(Mixed)" at 73.412,48.341 h0.9
  text "-" at 138.53,48.341 h0.9
  text "-" at 138.53,48.341 h0.9
  text "-" at 151.85,48.341 h0.9
  text "-" at 151.85,48.341 h0.9
  text "238" at -15.909,46.091 h0.9
  text "238" at -15.909,46.091 h0.9
  text "0.254mm (10.00mil)" at -6.703,46.091 h0.9
  text "0.254mm (10.00mil)" at -6.703,46.091 h0.9
  text "PTH" at 10.75,46.091 h0.9
  text "PTH" at 10.75,46.091 h0.9
  text "Round" at 18.671,46.091 h0.9
  text "Round" at 18.671,46.091 h0.9
  text "Top Layer - Bottom Layer" at 30.011,46.091 h0.9
  text "Top Layer - Bottom Layer" at 30.011,46.091 h0.9
  text "Via" at 52.712,46.091 h0.9
  text "Via" at 52.712,46.091 h0.9
  text "Rounded" at 61.893,46.091 h0.9
  text "Rounded" at 61.893,46.091 h0.9
  text "v51h25m0mx0" at 73.412,46.091 h0.9
  text "v51h25m0mx0" at 73.412,46.091 h0.9
  text "-" at 138.53,46.091 h0.9
  text "-" at 138.53,46.091 h0.9
  text "-" at 151.85,46.091 h0.9
  text "-" at 151.85,46.091 h0.9
  text "255 Total" at -15.909,43.841 h0.9
  text "255 Total" at -15.909,43.841 h0.9

## Text inside footprints (layer, text, board x,y; h text height)
J1: Bottom Overlay "V" at 42.607,18.076 h0.9 r90; Bottom Overlay "G" at 42.607,12.513 h0.9 r90